# KiCad board panel_50_1.kicad_pcb (continued)
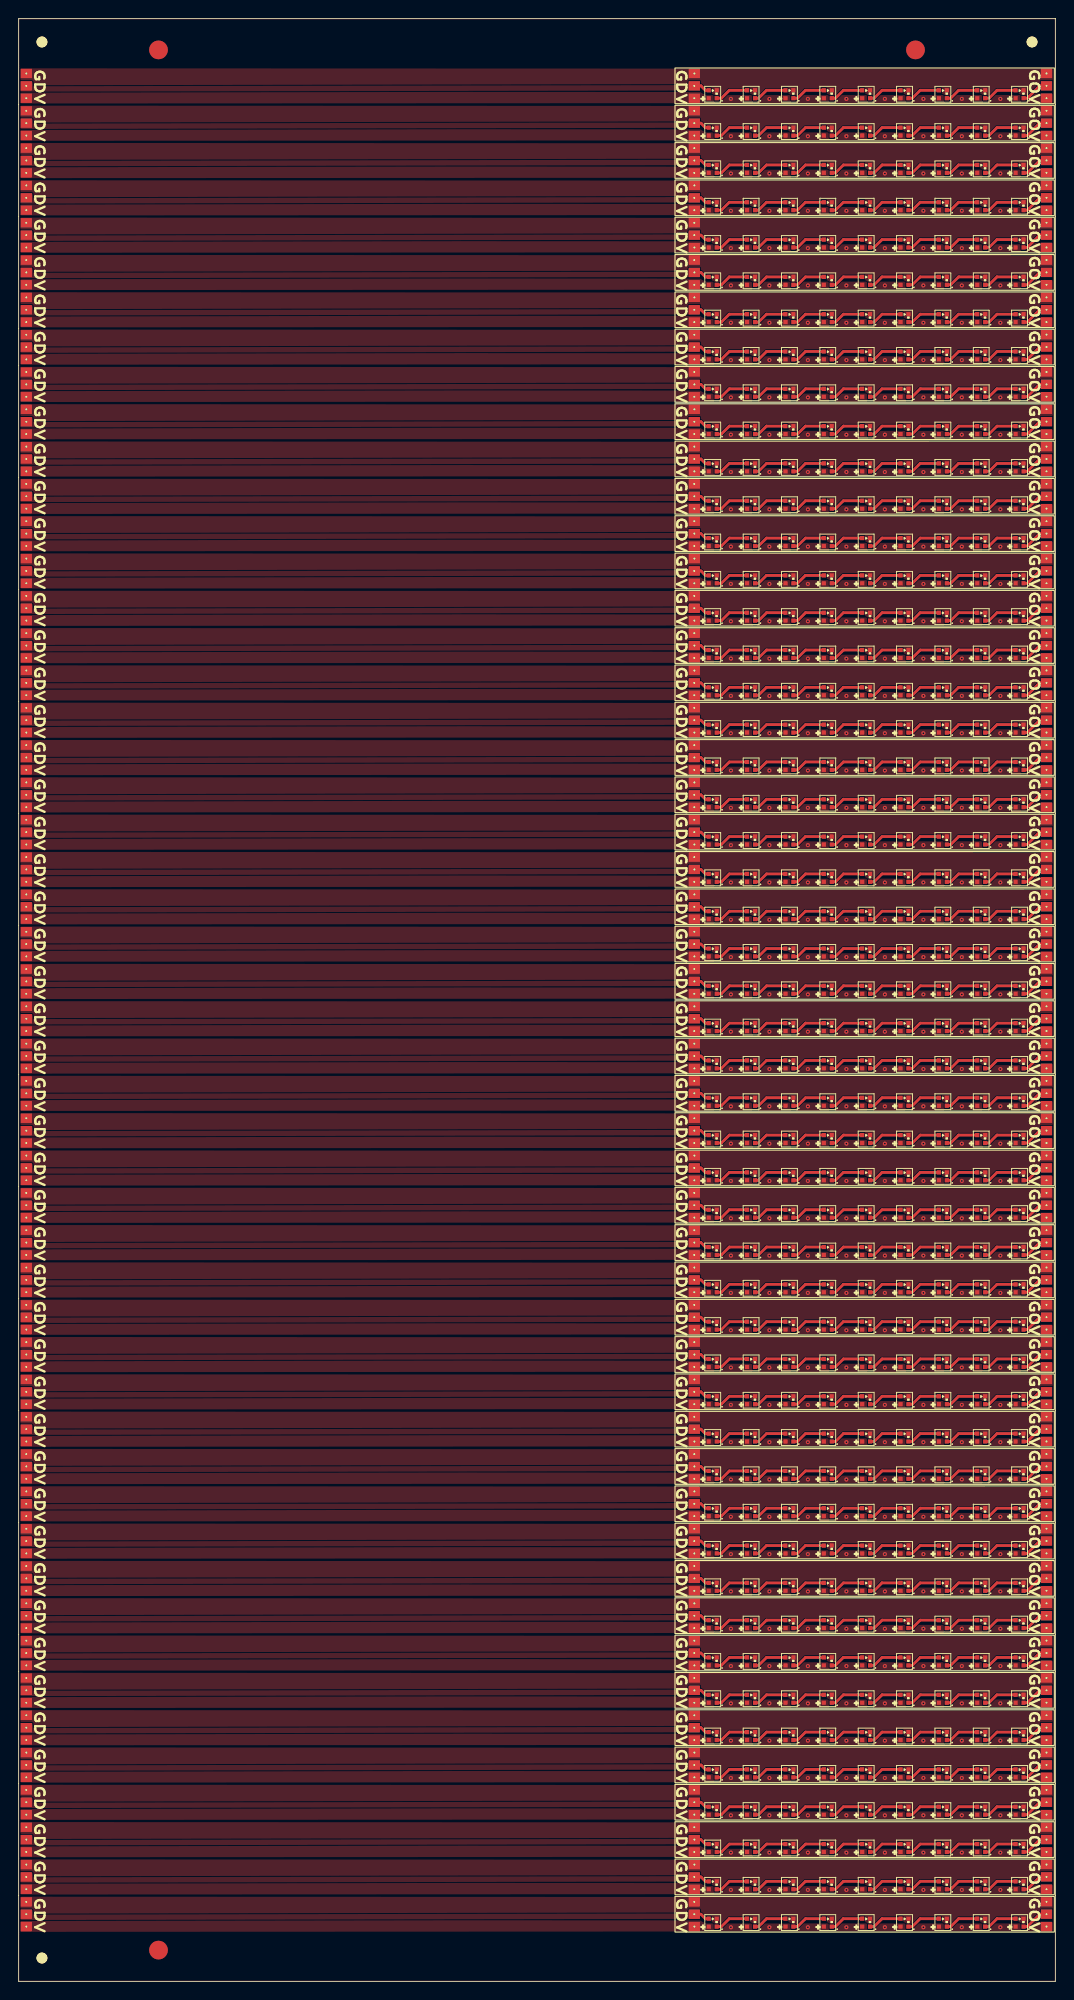
[diagram p0: board, top side]
## Routing (per net, layer and track width the routed paths; a pad name or vN(x,y) marks a point on that pad's centre or on a via; arc(x,y) is an arc through that point) (continued)
Board_17-LED_DATA: length 1.7
  Top w0.3: J3#37.1 73.18,135.19 73.66,134.72 U1#40.4
Board_17-LED_OUT: length 3
  Top w0.3: J4#44.1 109.51,135.2 108.18,133.87 U9#36.1
Board_17-Net-(U1-DOUT): length 3.6
  Top w0.3: U2#17.4 76.22,134.72 75.37,133.87 U1#40.1
Board_17-Net-(U2-DOUT): length 3.6
  Top w0.3: U2#17.1 79.36,133.87 80.21,134.72 U3.4
Board_17-Net-(U3-DOUT): length 3.6
  Top w0.3: U4#15.4 84.39,134.72 83.54,133.87 U3.1
Board_17-Net-(U4-DOUT): length 3.6
  Top w0.3: U4#15.1 87.6,133.87 88.45,134.72 U5#50.4
Board_17-Net-(U5-DOUT): length 3.6
  Top w0.3: U6#50.4 92.6,134.72 91.75,133.87 U5#50.1
Board_17-Net-(U6-DOUT): length 3.6
  Top w0.3: U7#2.4 96.69,134.72 95.84,133.87 U6#50.1
Board_17-Net-(U7-DOUT): length 3.6
  Top w0.3: U8#25.4 100.81,134.72 99.96,133.87 U7#2.1
Board_17-Net-(U8-DOUT): length 3.6
  Top w0.3: U9#36.4 104.93,134.72 104.08,133.87 U8#25.1
Board_18-+3V3:
  vias: v1(76.39,129.8) v1(80.52,129.8) v1(84.65,129.8) v1(88.78,129.8) v1(92.9,129.8) v1(97.03,129.8) v1(101.16,129.8) v1(105.29,129.8)
Board_18-LED_DATA: length 1.7
  Top w0.3: J3#33.1 73.18,131.19 73.66,130.72 U1#43.4
Board_18-LED_OUT: length 3
  Top w0.3: U9#49.1 108.18,129.87 109.51,131.2 J4#6.1
Board_18-Net-(U1-DOUT): length 3.6
  Top w0.3: U2#30.4 76.22,130.72 75.37,129.87 U1#43.1
Board_18-Net-(U2-DOUT): length 3.6
  Top w0.3: U2#30.1 79.36,129.87 80.21,130.72 U3#16.4
Board_18-Net-(U3-DOUT): length 3.6
  Top w0.3: U3#16.1 83.54,129.87 84.39,130.72 U4#18.4
Board_18-Net-(U4-DOUT): length 3.6
  Top w0.3: U4#18.1 87.6,129.87 88.45,130.72 U5#16.4
Board_18-Net-(U5-DOUT): length 3.6
  Top w0.3: U6#10.4 92.6,130.72 91.75,129.87 U5#16.1
Board_18-Net-(U6-DOUT): length 3.6
  Top w0.3: U6#10.1 95.84,129.87 96.69,130.72 U7#11.4
Board_18-Net-(U7-DOUT): length 3.6
  Top w0.3: U7#11.1 99.96,129.87 100.81,130.72 U8#27.4
Board_18-Net-(U8-DOUT): length 3.6
  Top w0.3: U8#27.1 104.08,129.87 104.93,130.72 U9#49.4
Board_19-+3V3:
  vias: v1(76.39,125.8) v1(80.52,125.8) v1(84.65,125.8) v1(88.78,125.8) v1(92.9,125.8) v1(97.03,125.8) v1(101.16,125.8) v1(105.29,125.8)
Board_19-LED_DATA: length 1.7
  Top w0.3: J3#31.1 73.18,127.2 73.66,126.72 U1#26.4
Board_19-LED_OUT: length 3
  Top w0.3: U9#3.1 108.18,125.87 109.51,127.2 J4#38.1
Board_19-Net-(U1-DOUT): length 3.6
  Top w0.3: U2#25.4 76.22,126.72 75.37,125.87 U1#26.1
Board_19-Net-(U2-DOUT): length 3.6
  Top w0.3: U2#25.1 79.36,125.87 80.21,126.72 U3#35.4
Board_19-Net-(U3-DOUT): length 3.6
  Top w0.3: U3#35.1 83.54,125.87 84.39,126.72 U4#50.4
Board_19-Net-(U4-DOUT): length 3.6
  Top w0.3: U4#50.1 87.6,125.87 88.45,126.72 U5#13.4
Board_19-Net-(U5-DOUT): length 3.6
  Top w0.3: U5#13.1 91.75,125.87 92.6,126.72 U6#31.4
Board_19-Net-(U6-DOUT): length 3.6
  Top w0.3: U6#31.1 95.84,125.87 96.69,126.72 U7#26.4
Board_19-Net-(U7-DOUT): length 3.6
  Top w0.3: U7#26.1 99.96,125.87 100.81,126.72 U8#30.4
Board_19-Net-(U8-DOUT): length 3.6
  Top w0.3: U8#30.1 104.08,125.87 104.93,126.72 U9#3.4
Board_20-+3V3:
  vias: v1(76.39,121.8) v1(80.52,121.8) v1(84.65,121.8) v1(88.78,121.8) v1(92.9,121.8) v1(97.03,121.8) v1(101.16,121.8) v1(105.29,121.8)
Board_20-LED_DATA: length 1.7
  Top w0.3: J3#10.1 73.18,123.2 73.66,122.72 U1#44.4
Board_20-LED_OUT: length 3
  Top w0.3: J4#50.1 109.51,123.2 108.18,121.87 U9#6.1
Board_20-Net-(U1-DOUT): length 3.6
  Top w0.3: U2#45.4 76.22,122.72 75.37,121.87 U1#44.1
Board_20-Net-(U2-DOUT): length 3.6
  Top w0.3: U3#42.4 80.21,122.72 79.36,121.87 U2#45.1
Board_20-Net-(U3-DOUT): length 3.6
  Top w0.3: U3#42.1 83.54,121.87 84.39,122.72 U4#46.4
Board_20-Net-(U4-DOUT): length 3.6
  Top w0.3: U4#46.1 87.6,121.87 88.45,122.72 U5#41.4
Board_20-Net-(U5-DOUT): length 3.6
  Top w0.3: U6#18.4 92.6,122.72 91.75,121.87 U5#41.1
Board_20-Net-(U6-DOUT): length 3.6
  Top w0.3: U7#42.4 96.69,122.72 95.84,121.87 U6#18.1
Board_20-Net-(U7-DOUT): length 3.6
  Top w0.3: U7#42.1 99.96,121.87 100.81,122.72 U8#2.4
Board_20-Net-(U8-DOUT): length 3.6
  Top w0.3: U8#2.1 104.08,121.87 104.93,122.72 U9#6.4
Board_21-+3V3:
  vias: v1(76.39,117.8) v1(80.52,117.8) v1(84.65,117.8) v1(88.78,117.8) v1(92.9,117.8) v1(97.03,117.8) v1(101.16,117.8) v1(105.29,117.8)
Board_21-LED_DATA: length 1.7
  Top w0.3: J3#25.1 73.18,119.2 73.66,118.72 U1#27.4
Board_21-LED_OUT: length 3
  Top w0.3: U9#2.1 108.18,117.87 109.51,119.2 J4.1
Board_21-Net-(U1-DOUT): length 3.6
  Top w0.3: U2#32.4 76.22,118.72 75.37,117.87 U1#27.1
Board_21-Net-(U2-DOUT): length 3.6
  Top w0.3: U2#32.1 79.36,117.87 80.21,118.72 U3#40.4
Board_21-Net-(U3-DOUT): length 3.6
  Top w0.3: U4#28.4 84.39,118.72 83.54,117.87 U3#40.1
Board_21-Net-(U4-DOUT): length 3.6
  Top w0.3: U4#28.1 87.6,117.87 88.45,118.72 U5#42.4
Board_21-Net-(U5-DOUT): length 3.6
  Top w0.3: U6#34.4 92.6,118.72 91.75,117.87 U5#42.1
Board_21-Net-(U6-DOUT): length 3.6
  Top w0.3: U7#35.4 96.69,118.72 95.84,117.87 U6#34.1
Board_21-Net-(U7-DOUT): length 3.6
  Top w0.3: U8#49.4 100.81,118.72 99.96,117.87 U7#35.1
Board_21-Net-(U8-DOUT): length 3.6
  Top w0.3: U9#2.4 104.93,118.72 104.08,117.87 U8#49.1
Board_22-+3V3:
  vias: v1(76.39,113.8) v1(80.52,113.8) v1(84.65,113.8) v1(88.78,113.8) v1(92.9,113.8) v1(97.03,113.8) v1(101.16,113.8) v1(105.29,113.8)
Board_22-LED_DATA: length 1.7
  Top w0.3: J3#4.1 73.18,115.2 73.66,114.72 U1#41.4
Board_22-LED_OUT: length 3
  Top w0.3: U9#34.1 108.18,113.87 109.51,115.2 J4#37.1
Board_22-Net-(U1-DOUT): length 3.6
  Top w0.3: U2#31.4 76.22,114.72 75.37,113.87 U1#41.1
Board_22-Net-(U2-DOUT): length 3.6
  Top w0.3: U2#31.1 79.36,113.87 80.21,114.72 U3#44.4
Board_22-Net-(U3-DOUT): length 3.6
  Top w0.3: U3#44.1 83.54,113.87 84.39,114.72 U4#4.4
Board_22-Net-(U4-DOUT): length 3.6
  Top w0.3: U5#20.4 88.45,114.72 87.6,113.87 U4#4.1
Board_22-Net-(U5-DOUT): length 3.6
  Top w0.3: U6#33.4 92.6,114.72 91.75,113.87 U5#20.1
Board_22-Net-(U6-DOUT): length 3.6
  Top w0.3: U7#21.4 96.69,114.72 95.84,113.87 U6#33.1
Board_22-Net-(U7-DOUT): length 3.6
  Top w0.3: U8#4.4 100.81,114.72 99.96,113.87 U7#21.1
Board_22-Net-(U8-DOUT): length 3.6
  Top w0.3: U8#4.1 104.08,113.87 104.93,114.72 U9#34.4
Board_23-+3V3:
  vias: v1(76.39,109.8) v1(80.52,109.8) v1(84.65,109.8) v1(88.78,109.8) v1(92.9,109.8) v1(97.03,109.8) v1(101.16,109.8) v1(105.29,109.8)
Board_23-LED_DATA: length 1.7
  Top w0.3: U1#3.4 73.66,110.72 73.18,111.2 J3#12.1
Board_23-LED_OUT: length 3
  Top w0.3: U9#18.1 108.18,109.87 109.51,111.2 J4#39.1
Board_23-Net-(U1-DOUT): length 3.6
  Top w0.3: U1#3.1 75.37,109.87 76.22,110.72 U2#49.4
Board_23-Net-(U2-DOUT): length 3.6
  Top w0.3: U3#21.4 80.21,110.72 79.36,109.87 U2#49.1
Board_23-Net-(U3-DOUT): length 3.6
  Top w0.3: U3#21.1 83.54,109.87 84.39,110.72 U4#19.4
Board_23-Net-(U4-DOUT): length 3.6
  Top w0.3: U5#18.4 88.45,110.72 87.6,109.87 U4#19.1
Board_23-Net-(U5-DOUT): length 3.6
  Top w0.3: U6#29.4 92.6,110.72 91.75,109.87 U5#18.1
Board_23-Net-(U6-DOUT): length 3.6
  Top w0.3: U6#29.1 95.84,109.87 96.69,110.72 U7#32.4
Board_23-Net-(U7-DOUT): length 3.6
  Top w0.3: U8#15.4 100.81,110.72 99.96,109.87 U7#32.1
Board_23-Net-(U8-DOUT): length 3.6
  Top w0.3: U8#15.1 104.08,109.87 104.93,110.72 U9#18.4
Board_24-+3V3:
  vias: v1(76.39,105.8) v1(80.52,105.8) v1(84.65,105.8) v1(88.78,105.8) v1(92.9,105.8) v1(97.03,105.8) v1(101.16,105.8) v1(105.29,105.8)
Board_24-LED_DATA: length 1.7
  Top w0.3: U1#2.4 73.66,106.72 73.18,107.2 J3#14.1
Board_24-LED_OUT: length 3
  Top w0.3: J4#7.1 109.51,107.2 108.18,105.87 U9#8.1
Board_24-Net-(U1-DOUT): length 3.6
  Top w0.3: U1#2.1 75.37,105.87 76.22,106.72 U2#27.4
Board_24-Net-(U2-DOUT): length 3.6
  Top w0.3: U2#27.1 79.36,105.87 80.21,106.72 U3#2.4
Board_24-Net-(U3-DOUT): length 3.6
  Top w0.3: U3#2.1 83.54,105.87 84.39,106.72 U4#20.4
Board_24-Net-(U4-DOUT): length 3.6
  Top w0.3: U4#20.1 87.6,105.87 88.45,106.72 U5#43.4
Board_24-Net-(U5-DOUT): length 3.6
  Top w0.3: U5#43.1 91.75,105.87 92.6,106.72 U6#9.4
Board_24-Net-(U6-DOUT): length 3.6
  Top w0.3: U7#9.4 96.69,106.72 95.84,105.87 U6#9.1
Board_24-Net-(U7-DOUT): length 3.6
  Top w0.3: U7#9.1 99.96,105.87 100.81,106.72 U8#50.4
Board_24-Net-(U8-DOUT): length 3.6
  Top w0.3: U8#50.1 104.08,105.87 104.93,106.72 U9#8.4
Board_25-+3V3:
  vias: v1(76.39,101.8) v1(80.52,101.8) v1(84.65,101.8) v1(88.78,101.8) v1(92.9,101.8) v1(97.03,101.8) v1(101.16,101.8) v1(105.29,101.8)
Board_25-LED_DATA: length 1.7
  Top w0.3: J3#27.1 73.18,103.2 73.66,102.72 U1#19.4
Board_25-LED_OUT: length 3
  Top w0.3: U9#12.1 108.18,101.87 109.51,103.2 J4#25.1
Board_25-Net-(U1-DOUT): length 3.6
  Top w0.3: U2#36.4 76.22,102.72 75.37,101.87 U1#19.1
Board_25-Net-(U2-DOUT): length 3.6
  Top w0.3: U3#37.4 80.21,102.72 79.36,101.87 U2#36.1
Board_25-Net-(U3-DOUT): length 3.6
  Top w0.3: U4#14.4 84.39,102.72 83.54,101.87 U3#37.1
Board_25-Net-(U4-DOUT): length 3.6
  Top w0.3: U5#32.4 88.45,102.72 87.6,101.87 U4#14.1
Board_25-Net-(U5-DOUT): length 3.6
  Top w0.3: U5#32.1 91.75,101.87 92.6,102.72 U6#30.4
Board_25-Net-(U6-DOUT): length 3.6
  Top w0.3: U7#29.4 96.69,102.72 95.84,101.87 U6#30.1
Board_25-Net-(U7-DOUT): length 3.6
  Top w0.3: U7#29.1 99.96,101.87 100.81,102.72 U8#14.4
Board_25-Net-(U8-DOUT): length 3.6
  Top w0.3: U8#14.1 104.08,101.87 104.93,102.72 U9#12.4
Board_26-+3V3:
  vias: v1(76.39,97.8) v1(80.52,97.8) v1(84.65,97.8) v1(88.78,97.8) v1(92.9,97.8) v1(97.03,97.8) v1(101.16,97.8) v1(105.29,97.8)
Board_26-LED_DATA: length 1.7
  Top w0.3: J3#49.1 73.18,99.19 73.66,98.72 U1#36.4
Board_26-LED_OUT: length 3
  Top w0.3: J4#28.1 109.51,99.2 108.18,97.87 U9#25.1
Board_26-Net-(U1-DOUT): length 3.6
  Top w0.3: U2#19.4 76.22,98.72 75.37,97.87 U1#36.1
Board_26-Net-(U2-DOUT): length 3.6
  Top w0.3: U2#19.1 79.36,97.87 80.21,98.72 U3#31.4
Board_26-Net-(U3-DOUT): length 3.6
  Top w0.3: U4#27.4 84.39,98.72 83.54,97.87 U3#31.1
Board_26-Net-(U4-DOUT): length 3.6
  Top w0.3: U5#47.4 88.45,98.72 87.6,97.87 U4#27.1
Board_26-Net-(U5-DOUT): length 3.6
  Top w0.3: U5#47.1 91.75,97.87 92.6,98.72 U6#39.4
Board_26-Net-(U6-DOUT): length 3.6
  Top w0.3: U6#39.1 95.84,97.87 96.69,98.72 U7#15.4
Board_26-Net-(U7-DOUT): length 3.6
  Top w0.3: U8#47.4 100.81,98.72 99.96,97.87 U7#15.1
Board_26-Net-(U8-DOUT): length 3.6
  Top w0.3: U9#25.4 104.93,98.72 104.08,97.87 U8#47.1
Board_27-+3V3:
  vias: v1(76.39,93.8) v1(80.52,93.8) v1(84.65,93.8) v1(88.78,93.8) v1(92.9,93.8) v1(97.03,93.8) v1(101.16,93.8) v1(105.29,93.8)
Board_27-LED_DATA: length 1.7
  Top w0.3: U1#18.4 73.66,94.72 73.18,95.19 J3.1
Board_27-LED_OUT: length 3
  Top w0.3: J4#20.1 109.51,95.2 108.18,93.87 U9#16.1
Board_27-Net-(U1-DOUT): length 3.6
  Top w0.3: U1#18.1 75.37,93.87 76.22,94.72 U2#12.4
Board_27-Net-(U2-DOUT): length 3.6
  Top w0.3: U2#12.1 79.36,93.87 80.21,94.72 U3#29.4
Board_27-Net-(U3-DOUT): length 3.6
  Top w0.3: U3#29.1 83.54,93.87 84.39,94.72 U4#22.4
Board_27-Net-(U4-DOUT): length 3.6
  Top w0.3: U4#22.1 87.6,93.87 88.45,94.72 U5#33.4
Board_27-Net-(U5-DOUT): length 3.6
  Top w0.3: U6#16.4 92.6,94.72 91.75,93.87 U5#33.1
Board_27-Net-(U6-DOUT): length 3.6
  Top w0.3: U6#16.1 95.84,93.87 96.69,94.72 U7#34.4
Board_27-Net-(U7-DOUT): length 3.6
  Top w0.3: U8#36.4 100.81,94.72 99.96,93.87 U7#34.1
Board_27-Net-(U8-DOUT): length 3.6
  Top w0.3: U9#16.4 104.93,94.72 104.08,93.87 U8#36.1
Board_28-+3V3:
  vias: v1(76.39,89.8) v1(80.52,89.8) v1(84.65,89.8) v1(88.78,89.8) v1(92.9,89.8) v1(97.03,89.8) v1(101.16,89.8) v1(105.29,89.8)
Board_28-LED_DATA: length 1.7
  Top w0.3: J3#3.1 73.18,91.19 73.66,90.72 U1#47.4
Board_28-LED_OUT: length 3
  Top w0.3: J4#34.1 109.51,91.2 108.18,89.87 U9#21.1
Board_28-Net-(U1-DOUT): length 3.6
  Top w0.3: U1#47.1 75.37,89.87 76.22,90.72 U2#20.4
Board_28-Net-(U2-DOUT): length 3.6
  Top w0.3: U2#20.1 79.36,89.87 80.21,90.72 U3#8.4
Board_28-Net-(U3-DOUT): length 3.6
  Top w0.3: U4#16.4 84.39,90.72 83.54,89.87 U3#8.1
Board_28-Net-(U4-DOUT): length 3.6
  Top w0.3: U4#16.1 87.6,89.87 88.45,90.72 U5#9.4
Board_28-Net-(U5-DOUT): length 3.6
  Top w0.3: U6#11.4 92.6,90.72 91.75,89.87 U5#9.1
Board_28-Net-(U6-DOUT): length 3.6
  Top w0.3: U6#11.1 95.84,89.87 96.69,90.72 U7#38.4
Board_28-Net-(U7-DOUT): length 3.6
  Top w0.3: U7#38.1 99.96,89.87 100.81,90.72 U8#7.4
Board_28-Net-(U8-DOUT): length 3.6
  Top w0.3: U8#7.1 104.08,89.87 104.93,90.72 U9#21.4
Board_29-+3V3:
  vias: v1(76.39,85.8) v1(80.52,85.8) v1(84.65,85.8) v1(88.78,85.8) v1(92.9,85.8) v1(97.03,85.8) v1(101.16,85.8) v1(105.29,85.8)
Board_29-LED_DATA: length 1.7
  Top w0.3: J3#44.1 73.18,87.19 73.66,86.72 U1#22.4
Board_29-LED_OUT: length 3
  Top w0.3: U9#32.1 108.18,85.87 109.51,87.2 J4#41.1
Board_29-Net-(U1-DOUT): length 3.6
  Top w0.3: U2#33.4 76.22,86.72 75.37,85.87 U1#22.1
Board_29-Net-(U2-DOUT): length 3.6
  Top w0.3: U2#33.1 79.36,85.87 80.21,86.72 U3#27.4
Board_29-Net-(U3-DOUT): length 3.6
  Top w0.3: U4#8.4 84.39,86.72 83.54,85.87 U3#27.1
Board_29-Net-(U4-DOUT): length 3.6
  Top w0.3: U4#8.1 87.6,85.87 88.45,86.72 U5#6.4
Board_29-Net-(U5-DOUT): length 3.6
  Top w0.3: U5#6.1 91.75,85.87 92.6,86.72 U6#45.4
Board_29-Net-(U6-DOUT): length 3.6
  Top w0.3: U6#45.1 95.84,85.87 96.69,86.72 U7#39.4
Board_29-Net-(U7-DOUT): length 3.6
  Top w0.3: U7#39.1 99.96,85.87 100.81,86.72 U8#10.4
Board_29-Net-(U8-DOUT): length 3.6
  Top w0.3: U9#32.4 104.93,86.72 104.08,85.87 U8#10.1
Board_30-+3V3:
  vias: v1(76.39,81.8) v1(80.52,81.8) v1(84.65,81.8) v1(88.78,81.8) v1(92.9,81.8) v1(97.03,81.8) v1(101.16,81.8) v1(105.29,81.8)
Board_30-LED_DATA: length 1.7
  Top w0.3: J3#46.1 73.18,83.19 73.66,82.72 U1#33.4
Board_30-LED_OUT: length 3
  Top w0.3: U9#26.1 108.18,81.87 109.51,83.2 J4#18.1
Board_30-Net-(U1-DOUT): length 3.6
  Top w0.3: U2#28.4 76.22,82.72 75.37,81.87 U1#33.1
Board_30-Net-(U2-DOUT): length 3.6
  Top w0.3: U2#28.1 79.36,81.87 80.21,82.72 U3#14.4
Board_30-Net-(U3-DOUT): length 3.6
  Top w0.3: U3#14.1 83.54,81.87 84.39,82.72 U4#24.4
Board_30-Net-(U4-DOUT): length 3.6
  Top w0.3: U4#24.1 87.6,81.87 88.45,82.72 U5#30.4
Board_30-Net-(U5-DOUT): length 3.6
  Top w0.3: U6#47.4 92.6,82.72 91.75,81.87 U5#30.1
Board_30-Net-(U6-DOUT): length 3.6
  Top w0.3: U6#47.1 95.84,81.87 96.69,82.72 U7#20.4
Board_30-Net-(U7-DOUT): length 3.6
  Top w0.3: U7#20.1 99.96,81.87 100.81,82.72 U8#42.4
Board_30-Net-(U8-DOUT): length 3.6
  Top w0.3: U9#26.4 104.93,82.72 104.08,81.87 U8#42.1
Board_31-+3V3:
  vias: v1(76.39,77.8) v1(80.52,77.8) v1(84.65,77.8) v1(88.78,77.8) v1(92.9,77.8) v1(97.03,77.8) v1(101.16,77.8) v1(105.29,77.8)
Board_31-LED_DATA: length 1.7
  Top w0.3: U1#32.4 73.66,78.72 73.18,79.19 J3#28.1
Board_31-LED_OUT: length 3
  Top w0.3: U9#13.1 108.18,77.87 109.51,79.2 J4#42.1
Board_31-Net-(U1-DOUT): length 3.6
  Top w0.3: U2#4.4 76.22,78.72 75.37,77.87 U1#32.1
Board_31-Net-(U2-DOUT): length 3.6
  Top w0.3: U3#5.4 80.21,78.72 79.36,77.87 U2#4.1
Board_31-Net-(U3-DOUT): length 3.6
  Top w0.3: U4#6.4 84.39,78.72 83.54,77.87 U3#5.1
Board_31-Net-(U4-DOUT): length 3.6
  Top w0.3: U4#6.1 87.6,77.87 88.45,78.72 U5#21.4
Board_31-Net-(U5-DOUT): length 3.6
  Top w0.3: U6#46.4 92.6,78.72 91.75,77.87 U5#21.1
Board_31-Net-(U6-DOUT): length 3.6
  Top w0.3: U7#22.4 96.69,78.72 95.84,77.87 U6#46.1
Board_31-Net-(U7-DOUT): length 3.6
  Top w0.3: U7#22.1 99.96,77.87 100.81,78.72 U8#20.4
Board_31-Net-(U8-DOUT): length 3.6
  Top w0.3: U9#13.4 104.93,78.72 104.08,77.87 U8#20.1
Board_32-+3V3:
  vias: v1(76.39,73.8) v1(80.52,73.8) v1(84.65,73.8) v1(88.78,73.8) v1(92.9,73.8) v1(97.03,73.8) v1(101.16,73.8) v1(105.29,73.8)
Board_32-LED_DATA: length 1.7
  Top w0.3: J3#47.1 73.18,75.19 73.66,74.72 U1#6.4
Board_32-LED_OUT: length 3
  Top w0.3: U9#20.1 108.18,73.87 109.51,75.2 J4#46.1
Board_32-Net-(U1-DOUT): length 3.6
  Top w0.3: U2#44.4 76.22,74.72 75.37,73.87 U1#6.1
Board_32-Net-(U2-DOUT): length 3.6
  Top w0.3: U3#47.4 80.21,74.72 79.36,73.87 U2#44.1
Board_32-Net-(U3-DOUT): length 3.6
  Top w0.3: U3#47.1 83.54,73.87 84.39,74.72 U4#32.4
Board_32-Net-(U4-DOUT): length 3.6
  Top w0.3: U4#32.1 87.6,73.87 88.45,74.72 U5#5.4
Board_32-Net-(U5-DOUT): length 3.6
  Top w0.3: U6#44.4 92.6,74.72 91.75,73.87 U5#5.1
Board_32-Net-(U6-DOUT): length 3.6
  Top w0.3: U7#23.4 96.69,74.72 95.84,73.87 U6#44.1
Board_32-Net-(U7-DOUT): length 3.6
  Top w0.3: U8#9.4 100.81,74.72 99.96,73.87 U7#23.1
Board_32-Net-(U8-DOUT): length 3.6
  Top w0.3: U9#20.4 104.93,74.72 104.08,73.87 U8#9.1
Board_33-+3V3:
  vias: v1(76.39,69.8) v1(80.52,69.8) v1(84.65,69.8) v1(88.78,69.8) v1(92.9,69.8) v1(97.03,69.8) v1(101.16,69.8) v1(105.29,69.8)
Board_33-LED_DATA: length 1.7
  Top w0.3: J3#45.1 73.18,71.19 73.66,70.72 U1#10.4
Board_33-LED_OUT: length 3
  Top w0.3: J4#43.1 109.51,71.2 108.18,69.87 U9#40.1
Board_33-Net-(U1-DOUT): length 3.6
  Top w0.3: U1#10.1 75.37,69.87 76.22,70.72 U2#14.4
Board_33-Net-(U2-DOUT): length 3.6
  Top w0.3: U2#14.1 79.36,69.87 80.21,70.72 U3#15.4
Board_33-Net-(U3-DOUT): length 3.6
  Top w0.3: U4#25.4 84.39,70.72 83.54,69.87 U3#15.1
Board_33-Net-(U4-DOUT): length 3.6
  Top w0.3: U4#25.1 87.6,69.87 88.45,70.72 U5#45.4
Board_33-Net-(U5-DOUT): length 3.6
  Top w0.3: U6#48.4 92.6,70.72 91.75,69.87 U5#45.1
Board_33-Net-(U6-DOUT): length 3.6
  Top w0.3: U6#48.1 95.84,69.87 96.69,70.72 U7#45.4
Board_33-Net-(U7-DOUT): length 3.6
  Top w0.3: U8#24.4 100.81,70.72 99.96,69.87 U7#45.1
Board_33-Net-(U8-DOUT): length 3.6
  Top w0.3: U8#24.1 104.08,69.87 104.93,70.72 U9#40.4
Board_34-+3V3:
  vias: v1(76.39,65.8) v1(80.52,65.8) v1(84.65,65.8) v1(88.78,65.8) v1(92.9,65.8) v1(97.03,65.8) v1(101.16,65.8) v1(105.29,65.8)
Board_34-LED_DATA: length 1.7
  Top w0.3: J3#22.1 73.18,67.19 73.66,66.72 U1#49.4
Board_34-LED_OUT: length 3
  Top w0.3: J4#17.1 109.51,67.2 108.18,65.87 U9#11.1
Board_34-Net-(U1-DOUT): length 3.6
  Top w0.3: U1#49.1 75.37,65.87 76.22,66.72 U2#29.4
Board_34-Net-(U2-DOUT): length 3.6
  Top w0.3: U2#29.1 79.36,65.87 80.21,66.72 U3#28.4
Board_34-Net-(U3-DOUT): length 3.6
  Top w0.3: U3#28.1 83.54,65.87 84.39,66.72 U4#3.4
Board_34-Net-(U4-DOUT): length 3.6
  Top w0.3: U5#22.4 88.45,66.72 87.6,65.87 U4#3.1
Board_34-Net-(U5-DOUT): length 3.6
  Top w0.3: U5#22.1 91.75,65.87 92.6,66.72 U6#25.4
Board_34-Net-(U6-DOUT): length 3.6
  Top w0.3: U7#7.4 96.69,66.72 95.84,65.87 U6#25.1
Board_34-Net-(U7-DOUT): length 3.6
  Top w0.3: U7#7.1 99.96,65.87 100.81,66.72 U8#22.4
Board_34-Net-(U8-DOUT): length 3.6
  Top w0.3: U8#22.1 104.08,65.87 104.93,66.72 U9#11.4
Board_35-+3V3:
  vias: v1(76.39,61.8) v1(80.52,61.8) v1(84.65,61.8) v1(88.78,61.8) v1(92.9,61.8) v1(97.03,61.8) v1(101.16,61.8) v1(105.29,61.8)
Board_35-LED_DATA: length 1.7
  Top w0.3: U1#25.4 73.66,62.72 73.18,63.19 J3#19.1
Board_35-LED_OUT: length 3
  Top w0.3: J4#29.1 109.51,63.2 108.18,61.87 U9#38.1
Board_35-Net-(U1-DOUT): length 3.6
  Top w0.3: U2#9.4 76.22,62.72 75.37,61.87 U1#25.1
Board_35-Net-(U2-DOUT): length 3.6
  Top w0.3: U3#18.4 80.21,62.72 79.36,61.87 U2#9.1
Board_35-Net-(U3-DOUT): length 3.6
  Top w0.3: U4#48.4 84.39,62.72 83.54,61.87 U3#18.1
Board_35-Net-(U4-DOUT): length 3.6
  Top w0.3: U5#8.4 88.45,62.72 87.6,61.87 U4#48.1
Board_35-Net-(U5-DOUT): length 3.6
  Top w0.3: U5#8.1 91.75,61.87 92.6,62.72 U6#21.4
Board_35-Net-(U6-DOUT): length 3.6
  Top w0.3: U6#21.1 95.84,61.87 96.69,62.72 U7#16.4
Board_35-Net-(U7-DOUT): length 3.6
  Top w0.3: U7#16.1 99.96,61.87 100.81,62.72 U8#33.4
Board_35-Net-(U8-DOUT): length 3.6
  Top w0.3: U8#33.1 104.08,61.87 104.93,62.72 U9#38.4
Board_36-+3V3:
  vias: v1(76.39,57.8) v1(80.52,57.8) v1(84.65,57.8) v1(88.78,57.8) v1(92.9,57.8) v1(97.03,57.8) v1(101.16,57.8) v1(105.29,57.8)
Board_36-LED_DATA: length 1.7
  Top w0.3: J3#18.1 73.18,59.19 73.66,58.72 U1#13.4
Board_36-LED_OUT: length 3
  Top w0.3: U9#29.1 108.18,57.87 109.51,59.2 J4#36.1
Board_36-Net-(U1-DOUT): length 3.6
  Top w0.3: U2#8.4 76.22,58.72 75.37,57.87 U1#13.1
Board_36-Net-(U2-DOUT): length 3.6
  Top w0.3: U3#11.4 80.21,58.72 79.36,57.87 U2#8.1
Board_36-Net-(U3-DOUT): length 3.6
  Top w0.3: U3#11.1 83.54,57.87 84.39,58.72 U4#35.4
Board_36-Net-(U4-DOUT): length 3.6
  Top w0.3: U4#35.1 87.6,57.87 88.45,58.72 U5#19.4
Board_36-Net-(U5-DOUT): length 3.6
  Top w0.3: U5#19.1 91.75,57.87 92.6,58.72 U6#43.4
Board_36-Net-(U6-DOUT): length 3.6
  Top w0.3: U7#47.4 96.69,58.72 95.84,57.87 U6#43.1
Board_36-Net-(U7-DOUT): length 3.6
  Top w0.3: U8#38.4 100.81,58.72 99.96,57.87 U7#47.1
Board_36-Net-(U8-DOUT): length 3.6
  Top w0.3: U9#29.4 104.93,58.72 104.08,57.87 U8#38.1
Board_37-+3V3:
  vias: v1(76.39,53.8) v1(80.52,53.8) v1(84.65,53.8) v1(88.78,53.8) v1(92.9,53.8) v1(97.03,53.8) v1(101.16,53.8) v1(105.29,53.8)
Board_37-LED_DATA: length 1.7
  Top w0.3: U1#5.4 73.66,54.72 73.18,55.19 J3#40.1
Board_37-LED_OUT: length 3
  Top w0.3: U9#14.1 108.18,53.87 109.51,55.2 J4#11.1
Board_37-Net-(U1-DOUT): length 3.6
  Top w0.3: U2#22.4 76.22,54.72 75.37,53.87 U1#5.1
Board_37-Net-(U2-DOUT): length 3.6
  Top w0.3: U2#22.1 79.36,53.87 80.21,54.72 U3#7.4
Board_37-Net-(U3-DOUT): length 3.6
  Top w0.3: U4#36.4 84.39,54.72 83.54,53.87 U3#7.1
Board_37-Net-(U4-DOUT): length 3.6
  Top w0.3: U4#36.1 87.6,53.87 88.45,54.72 U5#46.4
Board_37-Net-(U5-DOUT): length 3.6
  Top w0.3: U5#46.1 91.75,53.87 92.6,54.72 U6#24.4
Board_37-Net-(U6-DOUT): length 3.6
  Top w0.3: U6#24.1 95.84,53.87 96.69,54.72 U7#24.4
Board_37-Net-(U7-DOUT): length 3.6
  Top w0.3: U8#44.4 100.81,54.72 99.96,53.87 U7#24.1
Board_37-Net-(U8-DOUT): length 3.6
  Top w0.3: U9#14.4 104.93,54.72 104.08,53.87 U8#44.1
Board_38-+3V3:
  vias: v1(76.39,49.8) v1(80.52,49.8) v1(84.65,49.8) v1(88.78,49.8) v1(92.9,49.8) v1(97.03,49.8) v1(101.16,49.8) v1(105.29,49.8)
Board_38-LED_DATA: length 1.7
  Top w0.3: U1#21.4 73.66,50.72 73.18,51.19 J3#16.1
Board_38-LED_OUT: length 3
  Top w0.3: J4#15.1 109.51,51.2 108.18,49.87 U9#44.1
Board_38-Net-(U1-DOUT): length 3.6
  Top w0.3: U2#37.4 76.22,50.72 75.37,49.87 U1#21.1
Board_38-Net-(U2-DOUT): length 3.6
  Top w0.3: U2#37.1 79.36,49.87 80.21,50.72 U3#36.4
Board_38-Net-(U3-DOUT): length 3.6
  Top w0.3: U3#36.1 83.54,49.87 84.39,50.72 U4#34.4
Board_38-Net-(U4-DOUT): length 3.6
  Top w0.3: U5#11.4 88.45,50.72 87.6,49.87 U4#34.1
Board_38-Net-(U5-DOUT): length 3.6
  Top w0.3: U5#11.1 91.75,49.87 92.6,50.72 U6#23.4
Board_38-Net-(U6-DOUT): length 3.6
  Top w0.3: U6#23.1 95.84,49.87 96.69,50.72 U7#27.4
Board_38-Net-(U7-DOUT): length 3.6
  Top w0.3: U7#27.1 99.96,49.87 100.81,50.72 U8#46.4
Board_38-Net-(U8-DOUT): length 3.6
  Top w0.3: U8#46.1 104.08,49.87 104.93,50.72 U9#44.4
Board_39-+3V3:
  vias: v1(76.39,45.8) v1(80.52,45.8) v1(84.65,45.8) v1(88.78,45.8) v1(92.9,45.8) v1(97.03,45.8) v1(101.16,45.8) v1(105.29,45.8)
Board_39-LED_DATA: length 1.7
  Top w0.3: J3#5.1 73.18,47.19 73.66,46.72 U1#38.4
Board_39-LED_OUT: length 3
  Top w0.3: U9#33.1 108.18,45.87 109.51,47.2 J4#14.1
Board_39-Net-(U1-DOUT): length 3.6
  Top w0.3: U1#38.1 75.37,45.87 76.22,46.72 U2#11.4
Board_39-Net-(U2-DOUT): length 3.6
  Top w0.3: U2#11.1 79.36,45.87 80.21,46.72 U3#20.4
Board_39-Net-(U3-DOUT): length 3.6
  Top w0.3: U4#11.4 84.39,46.72 83.54,45.87 U3#20.1
Board_39-Net-(U4-DOUT): length 3.6
  Top w0.3: U5#14.4 88.45,46.72 87.6,45.87 U4#11.1
Board_39-Net-(U5-DOUT): length 3.6
  Top w0.3: U6#12.4 92.6,46.72 91.75,45.87 U5#14.1
Board_39-Net-(U6-DOUT): length 3.6
  Top w0.3: U6#12.1 95.84,45.87 96.69,46.72 U7#30.4
Board_39-Net-(U7-DOUT): length 3.6
  Top w0.3: U7#30.1 99.96,45.87 100.81,46.72 U8#28.4
Board_39-Net-(U8-DOUT): length 3.6
  Top w0.3: U9#33.4 104.93,46.72 104.08,45.87 U8#28.1
Board_40-+3V3:
  vias: v1(76.39,41.8) v1(80.52,41.8) v1(84.65,41.8) v1(88.78,41.8) v1(92.9,41.8) v1(97.03,41.8) v1(101.16,41.8) v1(105.29,41.8)
Board_40-LED_DATA: length 1.7
  Top w0.3: U1#50.4 73.66,42.72 73.18,43.19 J3#8.1
Board_40-LED_OUT: length 3
  Top w0.3: U9#31.1 108.18,41.87 109.51,43.2 J4#3.1
Board_40-Net-(U1-DOUT): length 3.6
  Top w0.3: U1#50.1 75.37,41.87 76.22,42.72 U2#15.4
Board_40-Net-(U2-DOUT): length 3.6
  Top w0.3: U3#22.4 80.21,42.72 79.36,41.87 U2#15.1
Board_40-Net-(U3-DOUT): length 3.6
  Top w0.3: U4#47.4 84.39,42.72 83.54,41.87 U3#22.1
Board_40-Net-(U4-DOUT): length 3.6
  Top w0.3: U4#47.1 87.6,41.87 88.45,42.72 U5#25.4
Board_40-Net-(U5-DOUT): length 3.6
  Top w0.3: U5#25.1 91.75,41.87 92.6,42.72 U6#15.4
Board_40-Net-(U6-DOUT): length 3.6
  Top w0.3: U7#46.4 96.69,42.72 95.84,41.87 U6#15.1
Board_40-Net-(U7-DOUT): length 3.6
  Top w0.3: U7#46.1 99.96,41.87 100.81,42.72 U8#23.4
Board_40-Net-(U8-DOUT): length 3.6
  Top w0.3: U9#31.4 104.93,42.72 104.08,41.87 U8#23.1
Board_41-+3V3:
  vias: v1(76.39,37.8) v1(80.52,37.8) v1(84.65,37.8) v1(88.78,37.8) v1(92.9,37.8) v1(97.03,37.8) v1(101.16,37.8) v1(105.29,37.8)
Board_41-LED_DATA: length 1.7
  Top w0.3: J3#11.1 73.18,39.19 73.66,38.72 U1#37.4
Board_41-LED_OUT: length 3
  Top w0.3: J4#19.1 109.51,39.2 108.18,37.87 U9#42.1
Board_41-Net-(U1-DOUT): length 3.6
  Top w0.3: U2#41.4 76.22,38.72 75.37,37.87 U1#37.1
Board_41-Net-(U2-DOUT): length 3.6
  Top w0.3: U2#41.1 79.36,37.87 80.21,38.72 U3#3.4
Board_41-Net-(U3-DOUT): length 3.6
  Top w0.3: U3#3.1 83.54,37.87 84.39,38.72 U4#31.4
Board_41-Net-(U4-DOUT): length 3.6
  Top w0.3: U4#31.1 87.6,37.87 88.45,38.72 U5#40.4
Board_41-Net-(U5-DOUT): length 3.6
  Top w0.3: U5#40.1 91.75,37.87 92.6,38.72 U6#28.4
Board_41-Net-(U6-DOUT): length 3.6
  Top w0.3: U6#28.1 95.84,37.87 96.69,38.72 U7#6.4
Board_41-Net-(U7-DOUT): length 3.6
  Top w0.3: U8#48.4 100.81,38.72 99.96,37.87 U7#6.1
Board_41-Net-(U8-DOUT): length 3.6
  Top w0.3: U9#42.4 104.93,38.72 104.08,37.87 U8#48.1
Board_42-+3V3:
  vias: v1(76.39,33.8) v1(80.52,33.8) v1(84.65,33.8) v1(88.78,33.8) v1(92.9,33.8) v1(97.03,33.8) v1(101.16,33.8) v1(105.29,33.8)
Board_42-LED_DATA: length 1.7
  Top w0.3: U1#8.4 73.66,34.72 73.18,35.19 J3#50.1
Board_42-LED_OUT: length 3
  Top w0.3: U9#9.1 108.18,33.87 109.51,35.2 J4#16.1
Board_42-Net-(U1-DOUT): length 3.6
  Top w0.3: U1#8.1 75.37,33.87 76.22,34.72 U2#38.4
Board_42-Net-(U2-DOUT): length 3.6
  Top w0.3: U2#38.1 79.36,33.87 80.21,34.72 U3#13.4
Board_42-Net-(U3-DOUT): length 3.6
  Top w0.3: U4#42.4 84.39,34.72 83.54,33.87 U3#13.1
Board_42-Net-(U4-DOUT): length 3.6
  Top w0.3: U5#3.4 88.45,34.72 87.6,33.87 U4#42.1
Board_42-Net-(U5-DOUT): length 3.6
  Top w0.3: U6#20.4 92.6,34.72 91.75,33.87 U5#3.1
Board_42-Net-(U6-DOUT): length 3.6
  Top w0.3: U7#44.4 96.69,34.72 95.84,33.87 U6#20.1
Board_42-Net-(U7-DOUT): length 3.6
  Top w0.3: U7#44.1 99.96,33.87 100.81,34.72 U8#12.4
Board_42-Net-(U8-DOUT): length 3.6
  Top w0.3: U9#9.4 104.93,34.72 104.08,33.87 U8#12.1
Board_43-+3V3:
  vias: v1(76.39,29.8) v1(80.52,29.8) v1(84.65,29.8) v1(88.78,29.8) v1(92.9,29.8) v1(97.03,29.8) v1(101.16,29.8) v1(105.29,29.8)
Board_43-LED_DATA: length 1.7
  Top w0.3: U1#17.4 73.66,30.72 73.18,31.19 J3#30.1
Board_43-LED_OUT: length 3
  Top w0.3: J4#22.1 109.51,31.2 108.18,29.87 U9#39.1
Board_43-Net-(U1-DOUT): length 3.6
  Top w0.3: U1#17.1 75.37,29.87 76.22,30.72 U2#21.4
Board_43-Net-(U2-DOUT): length 3.6
  Top w0.3: U3#6.4 80.21,30.72 79.36,29.87 U2#21.1
Board_43-Net-(U3-DOUT): length 3.6
  Top w0.3: U4#23.4 84.39,30.72 83.54,29.87 U3#6.1
Board_43-Net-(U4-DOUT): length 3.6
  Top w0.3: U4#23.1 87.6,29.87 88.45,30.72 U5#35.4
Board_43-Net-(U5-DOUT): length 3.6
  Top w0.3: U5#35.1 91.75,29.87 92.6,30.72 U6#2.4
Board_43-Net-(U6-DOUT): length 3.6
  Top w0.3: U6#2.1 95.84,29.87 96.69,30.72 U7#40.4
Board_43-Net-(U7-DOUT): length 3.6
  Top w0.3: U7#40.1 99.96,29.87 100.81,30.72 U8#13.4
